# Altium PCB TCM.PcbDoc (part 4 of 10) (continued)
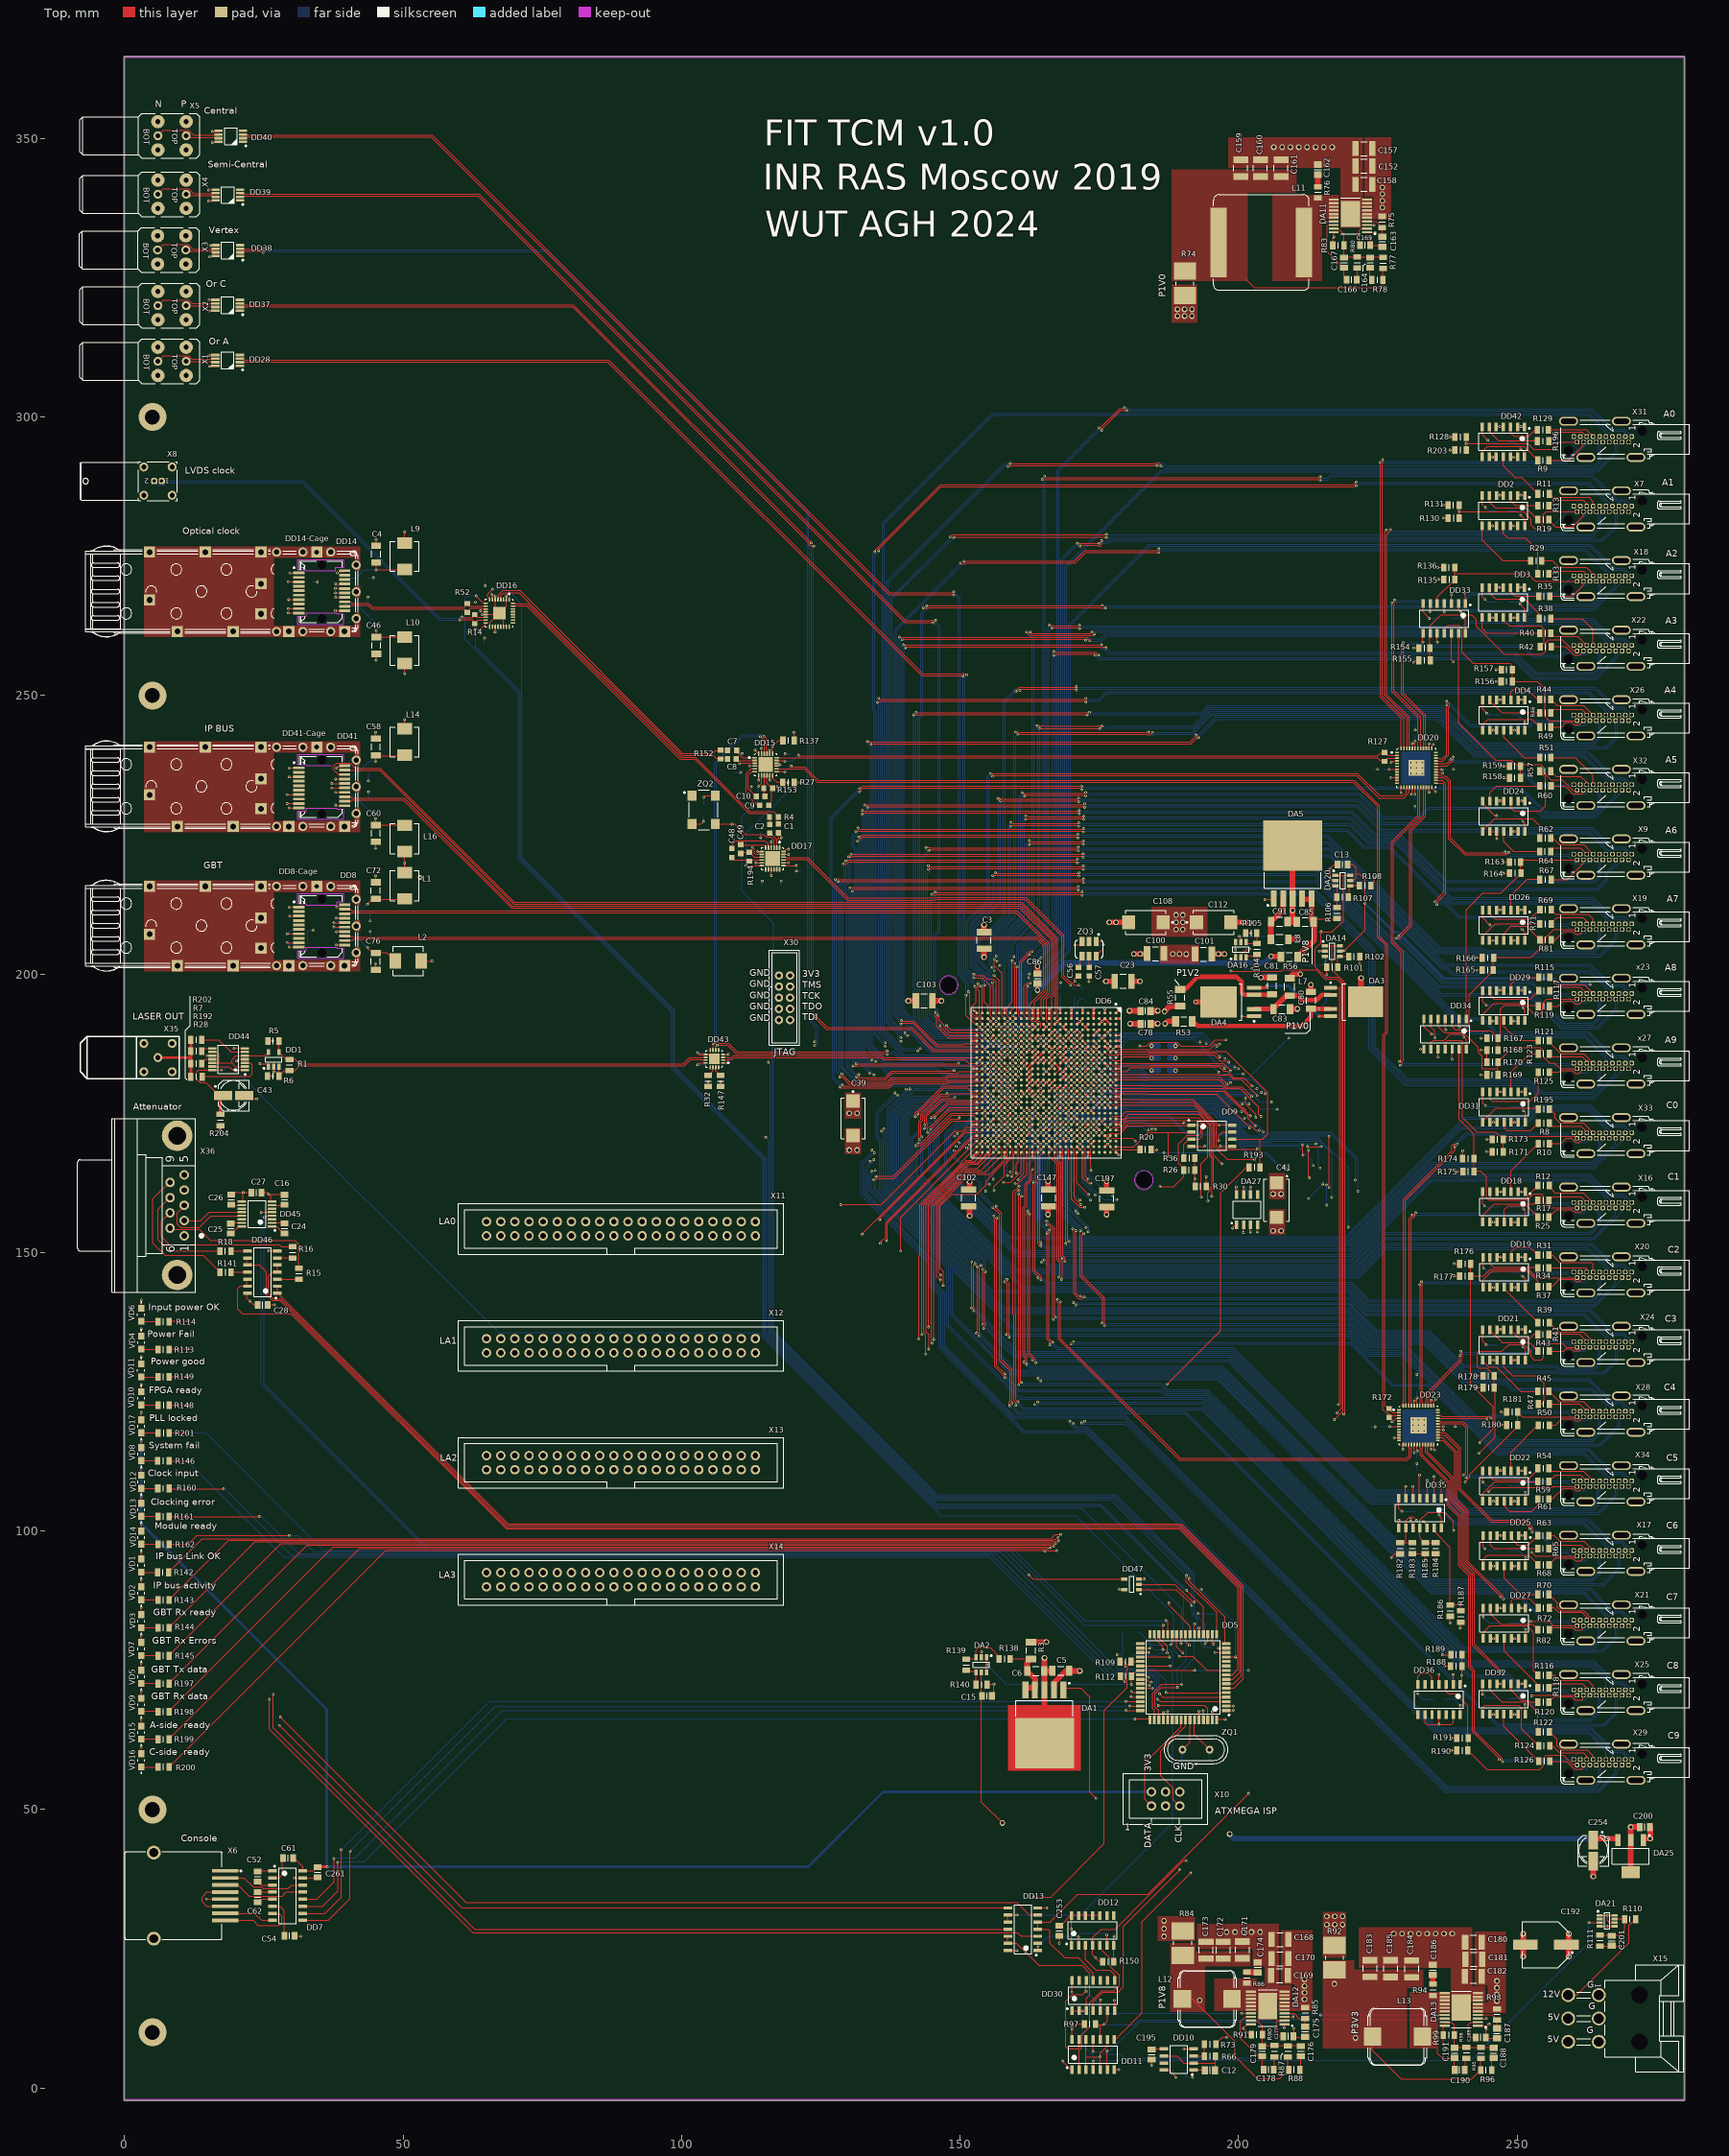
[diagram p0: Top view]
## Nets (pads, with @x,y where several pads share a name; then routed paths per layer and width w, separated by ;. In a path a pad name is that pad's centre, name@x,y a point inside that pad or via, vN(x,y) a via of type N, cw(c..) or ccw(c..) an arc to the next point about the centre after c; other vN are vias at no path point) (continued)
  Bot w0.2: C77.1@44.1,206.25 v1(44.1,207.65) ; v1(44.1,209.55) C73.1@44.1,211.05 ; C194.1@190.274,3.229 190.274,2.429 190.774,1.929 v1(191.774,1.929) ; v1(193.9,169.09) 193.99,169.09 C71.1@195.1,170.2
  Bot w0.5: v2(204.02,199.37) 204.55,199.9 C95.1@206.8,199.9
  Bot w1: C97.1@187.6,184.9 v3(188.7,184.9) ; C99.1@187.6,187.1 v3(188.7,187.1) ; C98.1@187.624,182.7 v3@188.692,182.7
  other v1: 231.305,118.003 232.305,118.003 233.305,118.003 231.305,119.003 232.305,119.003 233.305,119.003 231.305,120.003 232.305,120.003 233.305,120.003 160.5,172.5 174.5,176.483 159.5,185.5 230.953,236.004 231.953,236.004 232.953,236.004 230.953,237.004 232.953,237.004 231.953,237.024 230.953,238.004 231.953,238.004 232.953,238.004
  other v2: 227.874,27.727 229.374,27.727 230.874,27.727 232.374,27.727 233.874,27.727 235.374,27.727 236.874,27.727 238.374,27.727 197.853,28.014 199.353,28.014 200.853,28.014 202.353,28.014 203.853,28.014 206.218,153.9 207.618,153.9 130.1,168.4 131.5,168.4 206.319,348.433 207.82,348.433 209.319,348.433 210.819,348.433 212.319,348.433 213.819,348.433 215.319,348.433 216.819,348.433
  other v3: 188.7,182.692 53.1,217.35
  other v4: 5,10 5,50 5,250 5,300
HDMIA0.TCM_DA0_N: DD6.V7 X31.12 | length 247.4
  Top w0.1: DD6.V7@161,187 v1(161.5,186.5)
  Top w0.2: v1(158.6,291.16) 159.178,291.16 159.318,291.3 v1(185.4,291.3)
  L3 w0.1: 150.5,187.678 151.763,187.678 153.337,186.105 161.105,186.105 v1(161.5,186.5)
  L3 w0.17: v1(139.381,188.556) 139.469,188.556 140.346,187.678 150.5,187.678
  Bot w0.2: v1(139.381,188.556) 139.22,188.717 139.22,189.29 137.1,191.41 137.1,270.235 158.195,291.33 158.43,291.33 v1(158.6,291.16) ; v1(185.4,291.3) 185.487,291.3 185.877,291.69 186.531,291.69 186.567,291.654 186.98,291.242 263.873,291.242 263.923,291.293 264.65,292.019 264.65,295.097 X31.12@264.247,295.5
HDMIA0.TCM_DA0_P: DD6.V8 X31.10 | length 249.2
  Top w0.1: DD6.V8@161,186 v1(161.5,185.5)
  Top w0.2: v1@159.034,291.65 185.057,291.65 185.197,291.79 185.603,291.79 186.08,291.313 v1(186.08,291.2)
  L3 w0.1: 150.5,187.358 151.688,187.358 153.151,185.895 161.105,185.895 v1(161.5,185.5)
  L3 w0.17: v1(139.381,187.926) 139.646,187.926 140.214,187.358 150.5,187.358
  Bot w0.2: v1(139.381,187.926) 139.318,187.926 138.87,188.374 138.87,189.145 136.75,191.265 136.75,270.38 136.969,270.599 158.05,291.68 158.575,291.68 v1(159.004,291.679) ; v1(186.08,291.2) 186.1,291.22 186.506,291.22 186.835,290.892 264.017,290.892 265,291.874 265,295.097 X31.10@265.402,295.5
HDMIA0.TCM_DA1_N: DD6.W9 X31.9 | length 257.5
  Top w0.1: DD6.W9@160,185 v1(160.5,184.5)
  L3 w0.1: 150.5,186.499 151.384,186.499 152.383,185.5 154.836,185.5 155.241,185.095 159.905,185.095 v1(160.5,184.5)
  L3 w0.17: v1(142.9,186.629) 143.029,186.499 150.5,186.499
  Bot w0.2: v1(142.9,186.629) 142.657,186.629 142.6,186.685 142.194,186.685 142.138,186.629 139.821,186.629 136.4,190.05 136.4,280.79 155.955,300.345 262.762,300.345 265.98,297.128 X31.9@265.98,296.5
HDMIA0.TCM_DA1_P: DD6.W10 X31.7 | length 258.4
  Top w0.1: v1(159.5,184.5) DD6.W10@160,184
  L3 w0.1: 150.5,186.179 151.279,186.179 152.158,185.3 154.753,185.3 155.158,184.895 157.053,184.895 ; 157.053,184.895 159.105,184.895 v1(159.5,184.5)
  L3 w0.17: v1(142.397,186.195) 142.414,186.179 150.5,186.179
  Bot w0.2: v1(142.397,186.195) 142.314,186.279 139.676,186.279 136.05,189.905 136.05,280.935 155.81,300.695 262.907,300.695 262.912,300.691 262.944,300.691 X31.7@267.135,296.5
HDMIA0.TCM_DT0_N: DD6.U1 X31.6 | length 192.3
  Top w0.1: DD6.U1@162,193 162.007,193.007 162.007,195.5
  Top w0.2: 162.007,195.5 162.007,197.609 v1(162.175,197.776)
  Bot w0.2: v1(162.175,197.776) 162.105,197.847 162.105,198.537 162.392,198.824 162.59,198.824 168.8,205.034 168.8,273.2 186.08,290.48 264.347,290.48 267.712,293.845 X31.6@267.712,295.5
HDMIA0.TCM_DT0_P: DD6.U2 X31.4 | length 194.4
  Top w0.1: 161.5,195.5 161.5,192.5 DD6.U2@162,192
  Top w0.2: 161.5,195.5 161.5,197.824 162.009,198.334 v1(162.595,198.334)
  Bot w0.2: v1(162.595,198.334) 166.207,201.945 169.15,204.889 169.15,273.055 186.225,290.13 264.492,290.13 268.062,293.7 268.062,294.695 X31.4@268.866,295.5
HDMIA0.TCM_DT1_N: DD6.U5 X31.3 | length 213.3
  Top w0.1: DD6.U5@162,189 v1(162.5,189.5)
  Top w0.2: v1(175.431,297.605) 175.431,297.803 178.832,301.204 179.733,301.204 179.777,301.248 v1(179.975,301.248)
  L3 w0.1: v1(162.5,189.5) 162.5,189.941 162.895,190.336 162.895,191.816 163.395,192.316 163.395,193.914 163.15,194.158 163.15,195.5
  L3 w0.17: v1(162.5,199.966) 162.5,199.811 162.778,199.533 162.778,199.314 163.39,198.702 163.39,198.004 163.15,197.764 163.15,195.5
  Bot w0.2: v1(162.5,199.966) 162.5,200.164 162.687,200.351 162.687,202.326 167.75,207.39 167.75,290.32 174.99,297.56 175.188,297.56 175.233,297.605 v1(175.431,297.605) ; v1(179.975,301.248) 180.118,301.105 263.415,301.105 267.004,297.516 269.041,297.516 269.445,297.112 X31.3@269.445,296.5
HDMIA0.TCM_DT1_P: DD6.U6 X31.1 | length 216.1
  Top w0.1: v1(161.5,188.5) DD6.U6@162,188
  Top w0.2: v1(174.985,298.05) 175.183,298.05 178.608,301.474 178.687,301.554 179.39,301.554 v1(179.53,301.694)
  L3 w0.1: v1(161.5,188.5) 162.035,189.035 162.035,193.077 162.605,193.646 162.605,193.914 162.788,194.096 162.788,195.5
  L3 w0.17: v1@162.303,199.297 v1(162.303,199.336) 163.07,198.569 163.07,198.137 162.788,197.854 162.788,195.5
  Bot w0.2: v1(162.303,199.336) 162.303,199.476 162.297,199.476 162.01,199.763 162.01,200.169 162.337,200.496 162.337,202.471 167.4,207.534 167.4,290.465 v1(174.985,298.05) ; v1(179.53,301.694) 179.574,301.738 180.178,301.738 180.461,301.455 263.56,301.455 263.625,301.391 267.149,297.866 269.234,297.866 X31.1@270.6,296.5
HDMIA1.TCM_DA0_N: DD6.Y7 X7.12 | length 236.5
  Top w0.1: DD6.Y7@159,187 v1(159.5,187.5)
  Top w0.2: v1(148.227,278.447) 148.48,278.7 148.511,278.7 148.669,278.858 149.075,278.858 149.092,278.84 176.1,278.84 v1(176.24,278.98)
  L3 w0.1: 150.5,188.741 152.171,188.741 153.817,187.095 158.747,187.095 ; 158.747,187.095 159.094,187.095 v1(159.5,187.5)
  L3 w0.17: v1(140.6,188.976) 140.835,188.741 150.5,188.741
  Bot w0.2: v1(140.6,188.976) 140.371,188.976 140.323,188.927 139.917,188.927 139.63,189.214 139.63,189.412 137.45,191.592 137.45,267.441 148.227,278.219 v1(148.227,278.447) ; v1(176.24,278.98) 176.38,278.84 263.313,278.84 264.65,280.177 264.65,282.597 X7.12@264.247,283
HDMIA1.TCM_DA0_P: DD6.Y8 X7.10 | length 236.2
  Top w0.1: DD6.Y8@159,186 v1(159.5,186.5)
  Top w0.2: v1(148.872,278.368) 148.994,278.49 176.1,278.49 v1(176.24,278.35)
  L3 w0.1: 150.5,188.421 152.138,188.421 153.664,186.895 154.734,186.895 ; 154.735,186.895 157.5,186.895 ; 157.501,186.895 158.664,186.895 ; 158.664,186.895 159.105,186.895 v1(159.5,186.5)
  L3 w0.17: v1(140.12,189.417) 140.125,189.412 140.125,188.779 140.483,188.421 150.5,188.421
  Bot w0.2: v1(140.12,189.417) 137.8,191.737 137.8,267.296 v1(148.872,278.368) ; v1(176.24,278.35) 176.38,278.49 263.458,278.49 265,280.032 265,282.597 X7.10@265.402,283
HDMIA1.TCM_DA1_N: DD6.Y10 X7.9 | length 252.5
  Top w0.1: DD6.Y10@159,184 v1(159.5,183.5)
  Top w0.2: v1(135.4,276) 135.4,276.269 146.63,287.5 220.703,287.5 220.879,287.676 v1(221.149,287.676)
  L3 w0.1: 150.5,185.648 151.527,185.648 152.075,185.1 152.104,185.1 153.104,184.1 158.9,184.1 v1(159.5,183.5)
  L3 w0.17: v1(136.586,187.655) 136.6,187.655 138.606,185.648 150.5,185.648
  Bot w0.2: v1(135.4,276) 135.19,275.79 135.19,275.597 134.683,275.09 134.683,247.53 135,247.213 135,189.24 v1(136.586,187.655) ; v1(221.149,287.676) 221.429,287.956 262.684,287.956 265.98,284.66 X7.9@265.98,284
HDMIA1.TCM_DA1_P: DD6.Y11 X7.7 | length 255.4
  Top w0.1: DD6.Y11@159,183 v1(159.5,182.5)
  Top w0.2: v1(134.7,275.8) 134.7,276.064 146.485,287.85 220.558,287.85 221.014,288.306 v1(221.149,288.306)
  L3 w0.1: 150.5,185.328 151.564,185.328 151.992,184.9 152.021,184.9 153.021,183.9 158.817,183.9 159.105,183.612 159.105,183.336 159.5,182.941 v1(159.5,182.5)
  L3 w0.17: v1(136.547,187) 136.802,187 138.473,185.328 150.5,185.328
  Bot w0.2: v1(134.7,275.8) 134.333,275.433 134.333,247.385 134.65,247.068 134.65,189.095 136.096,187.65 136.096,187.452 v1(136.547,187) ; v1(221.149,288.306) 262.539,288.306 262.829,288.306 X7.7@267.135,284
HDMIA1.TCM_DT0_N: DD6.W3 X7.6 | length 193.3
  Top w0.1: DD6.W3@160,191 v1(160.5,190.501)
  Top w0.2: v1(171.556,276.851) 171.696,276.991 174.642,276.991 174.782,276.851 175.188,276.851 175.475,277.138 175.475,277.742 v1(175.431,277.786)
  L3 w0.1: v1(160.5,190.501) 161.072,191.072 161.072,195.5
  L3 w0.17: 161.072,195.5 161.072,200.128 163.797,202.853 v1(164.5,202.853)
  Bot w0.2: v1(164.5,202.853) 168.45,206.803 168.45,274.438 170.863,276.851 v1(171.556,276.851) ; v1(175.431,277.786) 175.561,277.656 176.421,277.656 176.871,278.107 265.319,278.107 267.712,280.5 X7.6@267.712,283
HDMIA1.TCM_DT0_P: DD6.V3 X7.4 | length 193.3
  Top w0.1: DD6.V3@161,191 v1(161.5,190.5)
  Top w0.2: v1(171.111,277.341) v1(174.985,277.341)
  L3 w0.1: 161.392,195.5 161.392,190.608 v1(161.5,190.5)
  L3 w0.17: 161.392,195.5 161.392,199.995 163.739,202.343 v1(164,202.343)
  Bot w0.2: v1(164,202.343) 164,203.046 164.297,203.343 164.495,203.343 168.1,206.948 168.1,274.583 170.858,277.341 v1(171.111,277.341) ; v1(174.985,277.341) 175.03,277.296 175.724,277.296 175.733,277.306 176.566,277.306 177.016,277.757 265.464,277.757 268,280.293 268.062,280.355 268.062,282.195 X7.4@268.866,283
HDMIA1.TCM_DT1_N: DD6.W5 X7.3 | length 210
  Top w0.1: v1(159.5,189.5) DD6.W5@160,189
  Top w0.2: v1(164.756,288.814) 214.519,288.814 v1(214.659,288.674)
  Bot w0.1: v1(159.5,189.5) 159.5,189.658 160.095,190.254 160.095,191 160.564,191.469 160.564,195.5
  Bot w0.2: 160.564,195.5 160.564,200.891 160.722,201.049 160.722,201.069 160.937,201.284 160.937,204.766 161.005,204.834 164.911,208.74 164.911,288.66 v1(164.756,288.814) ; v1(214.659,288.674) 216.097,288.674 216.852,289.43 263.246,289.43 267.881,284.795 269.31,284.795 269.445,284.66 X7.3@269.445,284
HDMIA1.TCM_DT1_P: DD6.W6 X7.1 | length 212.6
  Top w0.1: v1(159.5,188.5) DD6.W6@160,188
  Top w0.2: v1(165.202,289.398) 165.436,289.164 214.519,289.164 v1(214.659,289.304)
  Bot w0.1: v1(159.5,188.5) 160.055,189.055 160.055,189.684 160.477,190.106 160.664,190.106 160.895,190.337 160.895,194.177 160.914,194.196 160.914,195.5
  Bot w0.2: 160.914,195.5 160.914,200.746 161.072,200.904 161.072,200.924 161.287,201.139 161.287,204.621 161.355,204.689 165.261,208.595 165.261,289.435 165.224,289.398 v1(165.202,289.398) ; v1(214.659,289.304) 214.722,289.304 215.002,289.024 215.952,289.024 216.707,289.78 263.391,289.78 268.026,285.145 269.455,285.145 X7.1@270.6,284
HDMIA2.TCM_DA0_N: DD6.W8 X18.12 | length 220.6
  Top w0.1: DD6.W8@160,186 v1(160.5,186.5)
  Top w0.2: v1(144.017,266.109) v1@175.431,266.109
  Bot w0.1: 150.5,188.765 152.61,188.765 ; 152.614,188.769 152.61,188.765 ; v1(160.5,186.5) 159.894,187.105 157.336,187.105 157.105,187.336 157.105,187.737 156.737,188.105 154.283,188.105 153.622,188.765 152.61,188.765
  Bot w0.2: v1(144.017,266.109) 144.017,265.511 143.284,264.777 143.284,246.41 143.181,246.307 142.808,245.934 142.808,191.54 145.02,189.329 ; 145.018,189.327 145.58,188.765 150.5,188.765 ; v1(175.542,266.221) 175.575,266.253 176.712,266.253 176.853,266.113 236.775,266.113 236.79,266.098 240.721,266.098 240.824,265.995 241.353,265.466 251.614,265.466 252.498,266.35 252.523,266.35 252.561,266.388 263.349,266.388 264.65,267.688 264.65,270.097 X18.12@264.247,270.5
HDMIA2.TCM_DA0_P: DD6.V9 X18.10 | length 222.9
  Top w0.1: v1(160.5,185.5) DD6.V9@161,185
  Top w0.2: v1(143.413,265.757) 143.376,265.757 143.374,265.759 143.674,265.759 143.814,265.619 144.22,265.619 144.36,265.759 175.311,265.759 175.34,265.731 175.745,265.731 175.778,265.763 v1(176.144,265.763)
  Bot w0.1: 150.5,188.415 153.689,188.415 154.2,187.905 156.581,187.905 156.59,187.895 156.664,187.895 156.895,187.664 156.895,187.546 156.905,187.536 156.905,187.253 157.254,186.905 159.675,186.905 160.105,186.475 160.105,186.336 160.5,185.94 v1(160.5,185.5)
  Bot w0.2: v1(143.413,265.757) 143.413,265.401 142.934,264.922 142.934,246.555 142.458,246.079 142.458,191.395 144.613,189.241 144.611,189.239 ; 144.51,189.34 144.611,189.239 ; 144.61,189.238 144.611,189.239 ; 150.5,188.415 145.435,188.415 144.916,188.934 144.611,189.239 ; v1(176.144,265.763) 176.686,265.763 ; 176.686,265.763 236.455,265.763 236.47,265.748 240.576,265.748 241.208,265.116 251.759,265.116 252.643,266 252.668,266 252.706,266.038 263.494,266.038 265,267.543 265,270.097 X18.10@265.402,270.5
HDMIA2.TCM_DA1_N: DD6.AF7 X18.9 | length 222.7
  Top w0.1: 150.5,187 DD6.AF7@153,187
  Top w0.2: v1@139.381,191.06 139.494,191.174 141.574,191.174 145.748,187 150.5,187 ; v1(150.017,273.805) 150.199,273.623 150.869,273.623 151.009,273.763 170.699,273.763 172.626,275.691 v1(185.676,275.691)
  Bot w0.2: v1@139.268,191.174 138.981,191.461 138.981,191.659 138.192,192.447 138.192,261.782 150.017,273.607 v1(150.017,273.805) ; v1(185.676,275.691) 185.816,275.831 185.878,275.831 186.112,276.064 262.036,276.064 265.98,272.12 X18.9@265.98,271.5
  other v1: 139.381,191.012
HDMIA2.TCM_DA1_P: DD6.AE7 X18.7 | length 223.9
  Top w0.1: 150.5,187.35 150.654,187.35 150.808,187.503 153.497,187.503 DD6.AE7@154,187
  Top w0.2: v1(139.471,191.664) 139.57,191.565 139.611,191.524 141.719,191.524 145.893,187.35 150.5,187.35 ; v1(150.666,274.113) 170.554,274.113 172.204,275.763 172.481,276.041 185.333,276.041 185.613,276.321 v1(185.676,276.321)
  Bot w0.2: v1(139.471,191.664) 138.542,192.592 138.542,261.637 150.22,273.315 150.507,273.602 150.666,273.76 v1(150.666,274.113) ; v1(185.676,276.321) 185.873,276.321 185.967,276.414 262.221,276.414 X18.7@267.135,271.5
HDMIA2.TCM_DT0_N: DD6.W4 X18.6 | length 181.8
  Top w0.1: DD6.W4@160,190 v1(160.5,189.5)
  Top w0.2: v1(166,262.621) 166.013,262.634 166.735,262.634 166.875,262.494 171.276,262.494 v1(171.416,262.634)
  Bot w0.1: v1(160.5,189.5) 161.095,190.095 161.095,190.724 161.31,190.939 161.31,195.5
  Bot w0.2: 161.31,195.5 161.31,200.459 161.637,200.786 161.637,204.476 165.611,208.45 165.611,261.827 166,262.216 v1(166,262.621) ; v1(171.416,262.634) 171.556,262.494 240.268,262.494 241.167,263.393 249.782,263.393 250.979,264.59 251.728,264.59 252.788,265.65 263.625,265.65 267.712,269.737 X18.6@267.712,270.5
HDMIA2.TCM_DT0_P: DD6.V4 X18.4 | length 181.6
  Top w0.1: DD6.V4@161,190 v1(161.5,189.5)
  Top w0.2: v1(166.532,262.144) 171.276,262.144 v1(171.416,262.004)
  Bot w0.1: v1(161.5,189.5) 161.905,189.905 161.905,190.501 161.895,190.51 161.895,190.663 161.66,190.898 161.66,195.5
  Bot w0.2: 161.66,195.5 161.66,200.314 161.987,200.641 161.987,204.331 165.961,208.305 165.961,261.572 v1(166.532,262.144) ; v1(171.416,262.004) 171.556,262.144 240.413,262.144 240.515,262.247 241.312,263.043 249.927,263.043 251.124,264.24 251.873,264.24 252.933,265.3 263.77,265.3 268.867,270.398 X18.4@268.866,270.5
HDMIA2.TCM_DT1_N: DD6.V6 X18.3 | length 188.8
  Top w0.1: DD6.V6@161,188 v1(161.5,187.5)
  Bot w0.1: v1(161.5,187.5) 161.895,187.105 162.664,187.105 162.895,187.336 162.895,187.517 162.922,187.544 162.922,193.269 162.605,193.586 162.605,194.145 162.684,194.224 162.684,195.5
  Bot w0.2: 162.684,195.5 162.684,197.007 169.85,204.173 169.85,262.529 184.135,276.814 263.029,276.814 266.195,273.647 267.34,272.503 269.074,272.503 269.445,272.131 X18.3@269.445,271.5
HDMIA2.TCM_DT1_P: DD6.U7 X18.1 | length 188.6
  Top w0.1: DD6.U7@162,187 v1(162.5,187.5)
  Bot w0.1: 162.303,195.5 162.303,191.069 162.105,190.871 162.105,187.895 v1(162.5,187.5)
  Bot w0.2: 162.303,195.5 162.303,197.121 169.5,204.318 169.5,262.674 169.992,263.166 183.99,277.164 263.174,277.164 267.485,272.853 269.247,272.853 X18.1@270.6,271.5
HDMIA3.TCM_DA0_N: DD6.AA7 X22.12 | length 217.4
  Top w0.1: v1(157.5,186.5) DD6.AA7@158,187
  Top w0.2: v1@140.215,258.681 140.246,258.712 175.079,258.712 175.187,258.603 175.593,258.603 175.702,258.712 176.083,258.712 v1(176.223,258.572)
  Bot w0.1: 150.5,187.01 154.098,187.01 154.233,187.145 155.013,187.145 155.254,186.905 156.971,186.905 157.376,186.5 v1(157.5,186.5)
  Bot w0.2: v1(140.215,258.611) 139.95,258.346 139.95,193.426 141.325,192.051 141.325,190.58 144.895,187.01 150.5,187.01 ; v1(176.223,258.572) 176.983,257.812 249.685,257.812 253.369,254.128 263.781,254.128 264.65,254.997 264.65,257.597 X22.12@264.247,258
HDMIA3.TCM_DA0_P: DD6.AA8 X22.10 | length 221.1
  Top w0.1: DD6.AA8@158,186 v1(158.5,186.5)
  Top w0.2: v1(139.807,259.095) 139.813,259.101 140.527,259.101 140.566,259.062 v1@175.39,259.062
  Bot w0.1: 150.5,186.617 154.058,186.617 154.336,186.895 154.664,186.895 154.941,186.617 156.645,186.617 157.167,186.095 158.095,186.095 v1(158.5,186.5)
  Bot w0.2: v1(139.807,259.095) 139.6,258.888 139.6,193.281 140.975,191.906 140.975,190.435 144.793,186.617 150.5,186.617 ; v1(175.39,259.093) 175.733,258.75 175.733,258.369 176.64,257.462 249.54,257.462 253.224,253.778 263.926,253.778 265,254.852 265,257.597 X22.10@265.402,258
HDMIA3.TCM_DA1_N: DD6.AD8 X22.9 | length 219.3
  Top w0.1: DD6.AD8@155,186 v1(155.5,185.5)
  Top w0.2: v1@139.158,260.49 139.827,260.49 139.879,260.439 172.781,260.439 173.068,260.152 173.068,260.053 v1(173.285,259.836)
  Bot w0.1: 150.5,185.901 155.099,185.901 v1(155.5,185.5)
  Bot w0.2: v1(139.158,260.489) 139.135,260.466 139.135,260.148 138.9,259.913 138.9,192.952 140.275,191.577 140.275,190.145 144.519,185.901 150.5,185.901 ; v1(173.285,259.836) 173.483,259.836 173.531,259.788 175.402,259.788 176.3,260.686 249.55,260.686 251.675,262.811 262.955,262.811 265.98,259.786 X22.9@265.98,259
HDMIA3.TCM_DA1_P: DD6.AC8 X22.7 | length 220
  Top w0.1: DD6.AC8@156,186 v1(156.5,185.5)
  Top w0.2: v1(139.625,260) 139.724,260.099 139.734,260.089 172.438,260.089 v1(172.578,259.949)
  Bot w0.1: 150.5,186.257 154.113,186.257 154.269,186.101 155.899,186.101 v1(156.5,185.5)
  Bot w0.2: v1(139.625,260) 139.481,260 139.25,259.768 139.25,193.097 140.625,191.722 140.625,190.29 144.658,186.257 150.5,186.257 ; v1(172.578,259.949) 172.955,260.326 173.488,260.326 173.648,260.166 175.225,260.166 176.096,261.036 249.405,261.036 251.53,263.161 263.1,263.161 267.135,259.126 X22.7@267.135,259
HDMIA3.TCM_DT0_N: DD6.V1 X22.6 | length 173.1
  Top w0.1: DD6.V1@161,193 161.072,193.072 161.072,195.5
  Top w0.2: 161.072,195.5 161.072,200.924 161.077,200.929 161.077,201.625 161.072,201.629 161.072,202.097 v1(162.5,203.524) ; v1(166.885,257.898) 167.041,257.742 174.445,257.742 174.872,257.315 v1(174.872,257.252)
  Bot w0.2: v1(162.5,203.524) 162.45,203.575 162.45,204.236 162.737,204.523 162.935,204.523 166.7,208.288 166.7,256.66 166.691,256.669 166.691,256.705 166.395,257.001 166.395,257.424 166.868,257.898 v1(166.885,257.898) ; v1(174.872,257.252) 175.291,256.834 238.204,256.834 238.246,256.876 238.942,256.876 238.985,256.834 249.499,256.834 253.008,253.325 264.087,253.325 267.712,256.951 X22.6@267.712,258
HDMIA3.TCM_DT0_P: DD6.V2 X22.4 | length 174.9
  Top w0.1: 160.722,195.5 160.722,193.723 160.5,193.5 160.5,192.5 DD6.V2@161,192
  Top w0.2: 160.722,195.5 160.722,201.069 160.727,201.074 160.727,201.48 160.722,201.484 160.722,202.242 162.01,203.529 162.01,203.727 162.297,204.014 162.661,204.014 162.68,204.033 v1(162.939,204.033) ; v1(166.885,257.221) 167.051,257.388 167.58,257.388 167.583,257.392 174.242,257.392 v1(174.242,257.252)
  Bot w0.2: v1(162.939,204.033) 167.05,208.144 167.05,256.805 167.041,256.814 167.041,256.85 166.885,257.006 v1(166.885,257.221) ; v1(174.242,257.252) 174.242,257.189 174.948,256.484 238.349,256.484 238.391,256.526 238.797,256.526 238.84,256.484 249.354,256.484 252.76,253.078 252.863,252.975 264.232,252.975 268.062,256.806 268.062,257.195 X22.4@268.866,258
HDMIA3.TCM_DT1_N: DD6.Y2 X22.3 | length 183.2
  Top w0.1: DD6.Y2@159,192 158.5,192.5 158.5,194.123 158.714,194.337 158.717,194.337 159.346,194.966 159.346,195.5
  Top w0.2: 159.346,195.5 159.346,202.355 v1(159.399,202.408) ; v1(161.93,261.386) 161.93,261.323 162.456,260.798 173.885,260.798 v1(174.101,261.014)
  Bot w0.2: v1(159.399,202.408) 159.258,202.549 159.258,202.865 159.179,202.945 159.179,203.351 159.258,203.431 159.258,205.538 162.949,209.228 162.949,223.054 162.949,223.542 162.949,260.305 162.07,261.183 162.07,261.246 v1(161.93,261.386) ; v1(174.101,261.014) 174.473,261.386 249.26,261.386 251.414,263.54 263.455,263.54 266.995,260 269.105,260 269.445,259.66 X22.3@269.445,259
HDMIA3.TCM_DT1_P: DD6.Y3 X22.1 | length 184.7
  Top w0.1: DD6.Y3@159,191 v1(159.5,191.5)
  Top w0.2: v1(162.56,261.386) 162.799,261.148 173.344,261.148 v1(173.656,261.46)
  L3 w0.1: v1(159.5,191.5) 159.5,191.942 159.895,192.336 159.895,192.92 159.5,193.315 159.5,195.5
  L3 w0.17: 159.5,195.5 159.5,201.55 158.924,202.126 158.924,202.605 159.467,203.148 v1(159.669,203.148)
  Bot w0.2: v1(159.669,203.148) 159.669,203.32 159.608,203.38 159.608,205.393 163.299,209.083 163.299,222.909 ; v1(162.56,261.386) 162.56,261.188 163.299,260.45 163.299,223.687 163.299,222.909 ; v1(173.656,261.46) 173.932,261.736 249.116,261.736 251.269,263.89 263.6,263.89 267.14,260.35 269.25,260.35 X22.1@270.6,259
HDMIA4.TCM_DA0_N: DD6.AC7 X26.12 | length 201.3
  Top w0.1: v1(155.5,187.5) DD6.AC7@156,187
  Top w0.2: v1(142.108,247.012) 142.216,246.903 172.457,246.903 172.596,247.043 173.2,247.043 v1(173.245,246.998)
  Bot w0.1: 150.5,187.85 151.555,187.85 151.8,187.605 152.2,187.605 152.25,187.655 155.345,187.655 v1(155.5,187.5)
  Bot w0.2: v1(142.108,247.012) 142.165,246.955 142.165,246.351 142.025,246.211 142.025,190.885 145.061,187.85 147.339,187.85 ; 147.339,187.85 150.5,187.85 ; v1(173.245,246.998) 173.285,246.958 193.231,246.958 194.481,248.207 236.573,248.207 243.28,241.501 263.547,241.501 264.65,242.604 264.65,245.097 X26.12@264.247,245.5
HDMIA4.TCM_DA0_P: DD6.AB7 X26.10 | length 203.5
  Top w0.1: v1(156.5,187.5) DD6.AB7@157,187
  Top w0.2: v1(141.675,246.553) 141.706,246.522 142.311,246.522 142.342,246.553 172.774,246.553 172.786,246.566 v1(172.799,246.553)
  Bot w0.1: 150.5,187.5 151.551,187.5 151.646,187.405 155.036,187.405 155.336,187.105 155.664,187.105 156.059,187.5 v1(156.5,187.5)
  Bot w0.2: v1(141.675,246.553) 141.675,190.74 144.916,187.5 147.484,187.5 150.5,187.5 ; v1(172.799,246.553) 172.844,246.508 173.562,246.508 173.656,246.602 ; 173.656,246.608 174.619,246.608 ; 174.625,246.608 193.376,246.608 194.626,247.857 236.428,247.857 243.135,241.151 263.692,241.151 265,242.459 265,245.097 X26.10@265.402,245.5
HDMIA4.TCM_DA1_N: DD6.AB9 X26.9 | length 217.6
  Top w0.1: DD6.AB9@157,185 157.5,184.5 v1(157.438,184.5)
  Top w0.2: v1(135.2,248.8) 135.396,248.996 172.491,248.996 v1(172.602,248.885)
  Bot w0.1: 150.5,185.201 154.517,185.201 154.823,184.895 157.108,184.895 157.438,184.566 v1(157.438,184.5)
  Bot w0.2: v1(135.2,248.8) 135.35,248.65 135.35,216.278 135.35,212.322 135.35,189.579 136.785,188.145 136.789,188.145 137.076,187.858 137.076,187.853 139.728,185.201 150.5,185.201 ; v1@172.691,249.025 175.052,249.025 176.357,250.331 262.768,250.331 265.98,247.119 X26.9@265.98,246.5
HDMIA4.TCM_DA1_P: DD6.AA9 X26.7 | length 219.5
  Top w0.1: DD6.AA9@158,185 v1(158.5,185.5)
  Top w0.2: v1(135.4,249.5) 135.554,249.346 172.37,249.346 172.539,249.515 v1(172.602,249.515)
  Bot w0.1: 150.5,185.551 154.449,185.551 154.905,185.095 157.191,185.095 ; 157.191,185.095 157.659,185.095 158.064,185.5 v1(158.5,185.5)
  Bot w0.2: v1(135.4,249.5) 135.7,249.2 135.7,189.724 136.929,188.495 136.934,188.495 137.426,188.003 137.426,187.998 139.873,185.551 150.5,185.551 ; v1@172.691,249.375 174.907,249.375 176.212,250.681 262.954,250.681 X26.7@267.135,246.5
HDMIA4.TCM_DT0_N: DD6.Y1 X26.6 | length 165.5
  Top w0.1: DD6.Y1@159,193 159,193.275 159.846,194.121 159.846,195.5
  Top w0.2: 159.846,195.5 159.846,200.975 159.747,201.074 159.747,201.48 159.846,201.579 v1(159.846,201.896) ; v1(163.87,244.608) 164.089,244.608 164.092,244.61 164.498,244.61 164.5,244.608 165.117,244.608 165.255,244.47 174.678,244.47 174.775,244.568 175.451,244.568 v1(175.495,244.523)
  Bot w0.2: v1(159.846,201.896) 160.232,202.283 160.232,205.055 164.01,208.832 164.01,243.712 163.805,243.917 163.805,244.323 163.87,244.389 v1(163.87,244.608) ; v1(175.495,244.523) 175.693,244.523 175.711,244.541 191.804,244.541 194.771,247.507 236.283,247.507 242.99,240.801 266.001,240.801 267.712,242.513 X26.6@267.712,245.5
HDMIA4.TCM_DT0_P: DD6.W1 X26.4 | length 164.9
  Top w0.1: DD6.W1@160,193 160.237,193.237 160.237,195.5
  Top w0.2: 160.237,195.5 v1(160.237,201.277) ; v1@164.5,244.12 175.007,244.12 v1(175.05,244.078)
  Bot w0.2: v1(160.237,201.277) 160.509,201.549 160.509,202.064 160.582,202.138 160.582,204.91 164.36,208.687 164.36,243.978 164.295,244.043 v1(164.295,244.12) ; v1(175.05,244.078) 175.094,244.033 175.698,244.033 175.856,244.191 191.949,244.191 194.916,247.157 236.138,247.157 242.845,240.451 266.146,240.451 268.062,242.368 268.062,244.695 X26.4@268.866,245.5
HDMIA4.TCM_DT1_N: DD6.AC1 X26.3 | length 174.4
  Top w0.1: DD6.AC1@156,193 156.014,193.014 156.014,195.5
  Top w0.2: v1(155.847,198.5) 155.847,198.166 156.014,198 156.014,195.5 ; v1(160.763,250.926) 160.976,251.139 170.737,251.139 v1(170.877,250.999)
  Bot w0.2: v1(155.847,198.5) 155.579,198.769 155.579,199.672 155.11,200.14 155.11,200.409 153.208,202.312 153.208,205.888 157.784,210.464 157.784,248.967 159.561,250.744 159.561,250.942 159.848,251.229 160.46,251.229 v1(160.763,250.926) ; v1(170.877,250.999) 170.877,251.108 170.908,251.139 263.991,251.139 267.556,247.574 269.031,247.574 269.445,247.16 X26.3@269.445,246.5